# Altium PCB Lock_5chanel.PcbDoc (continued)
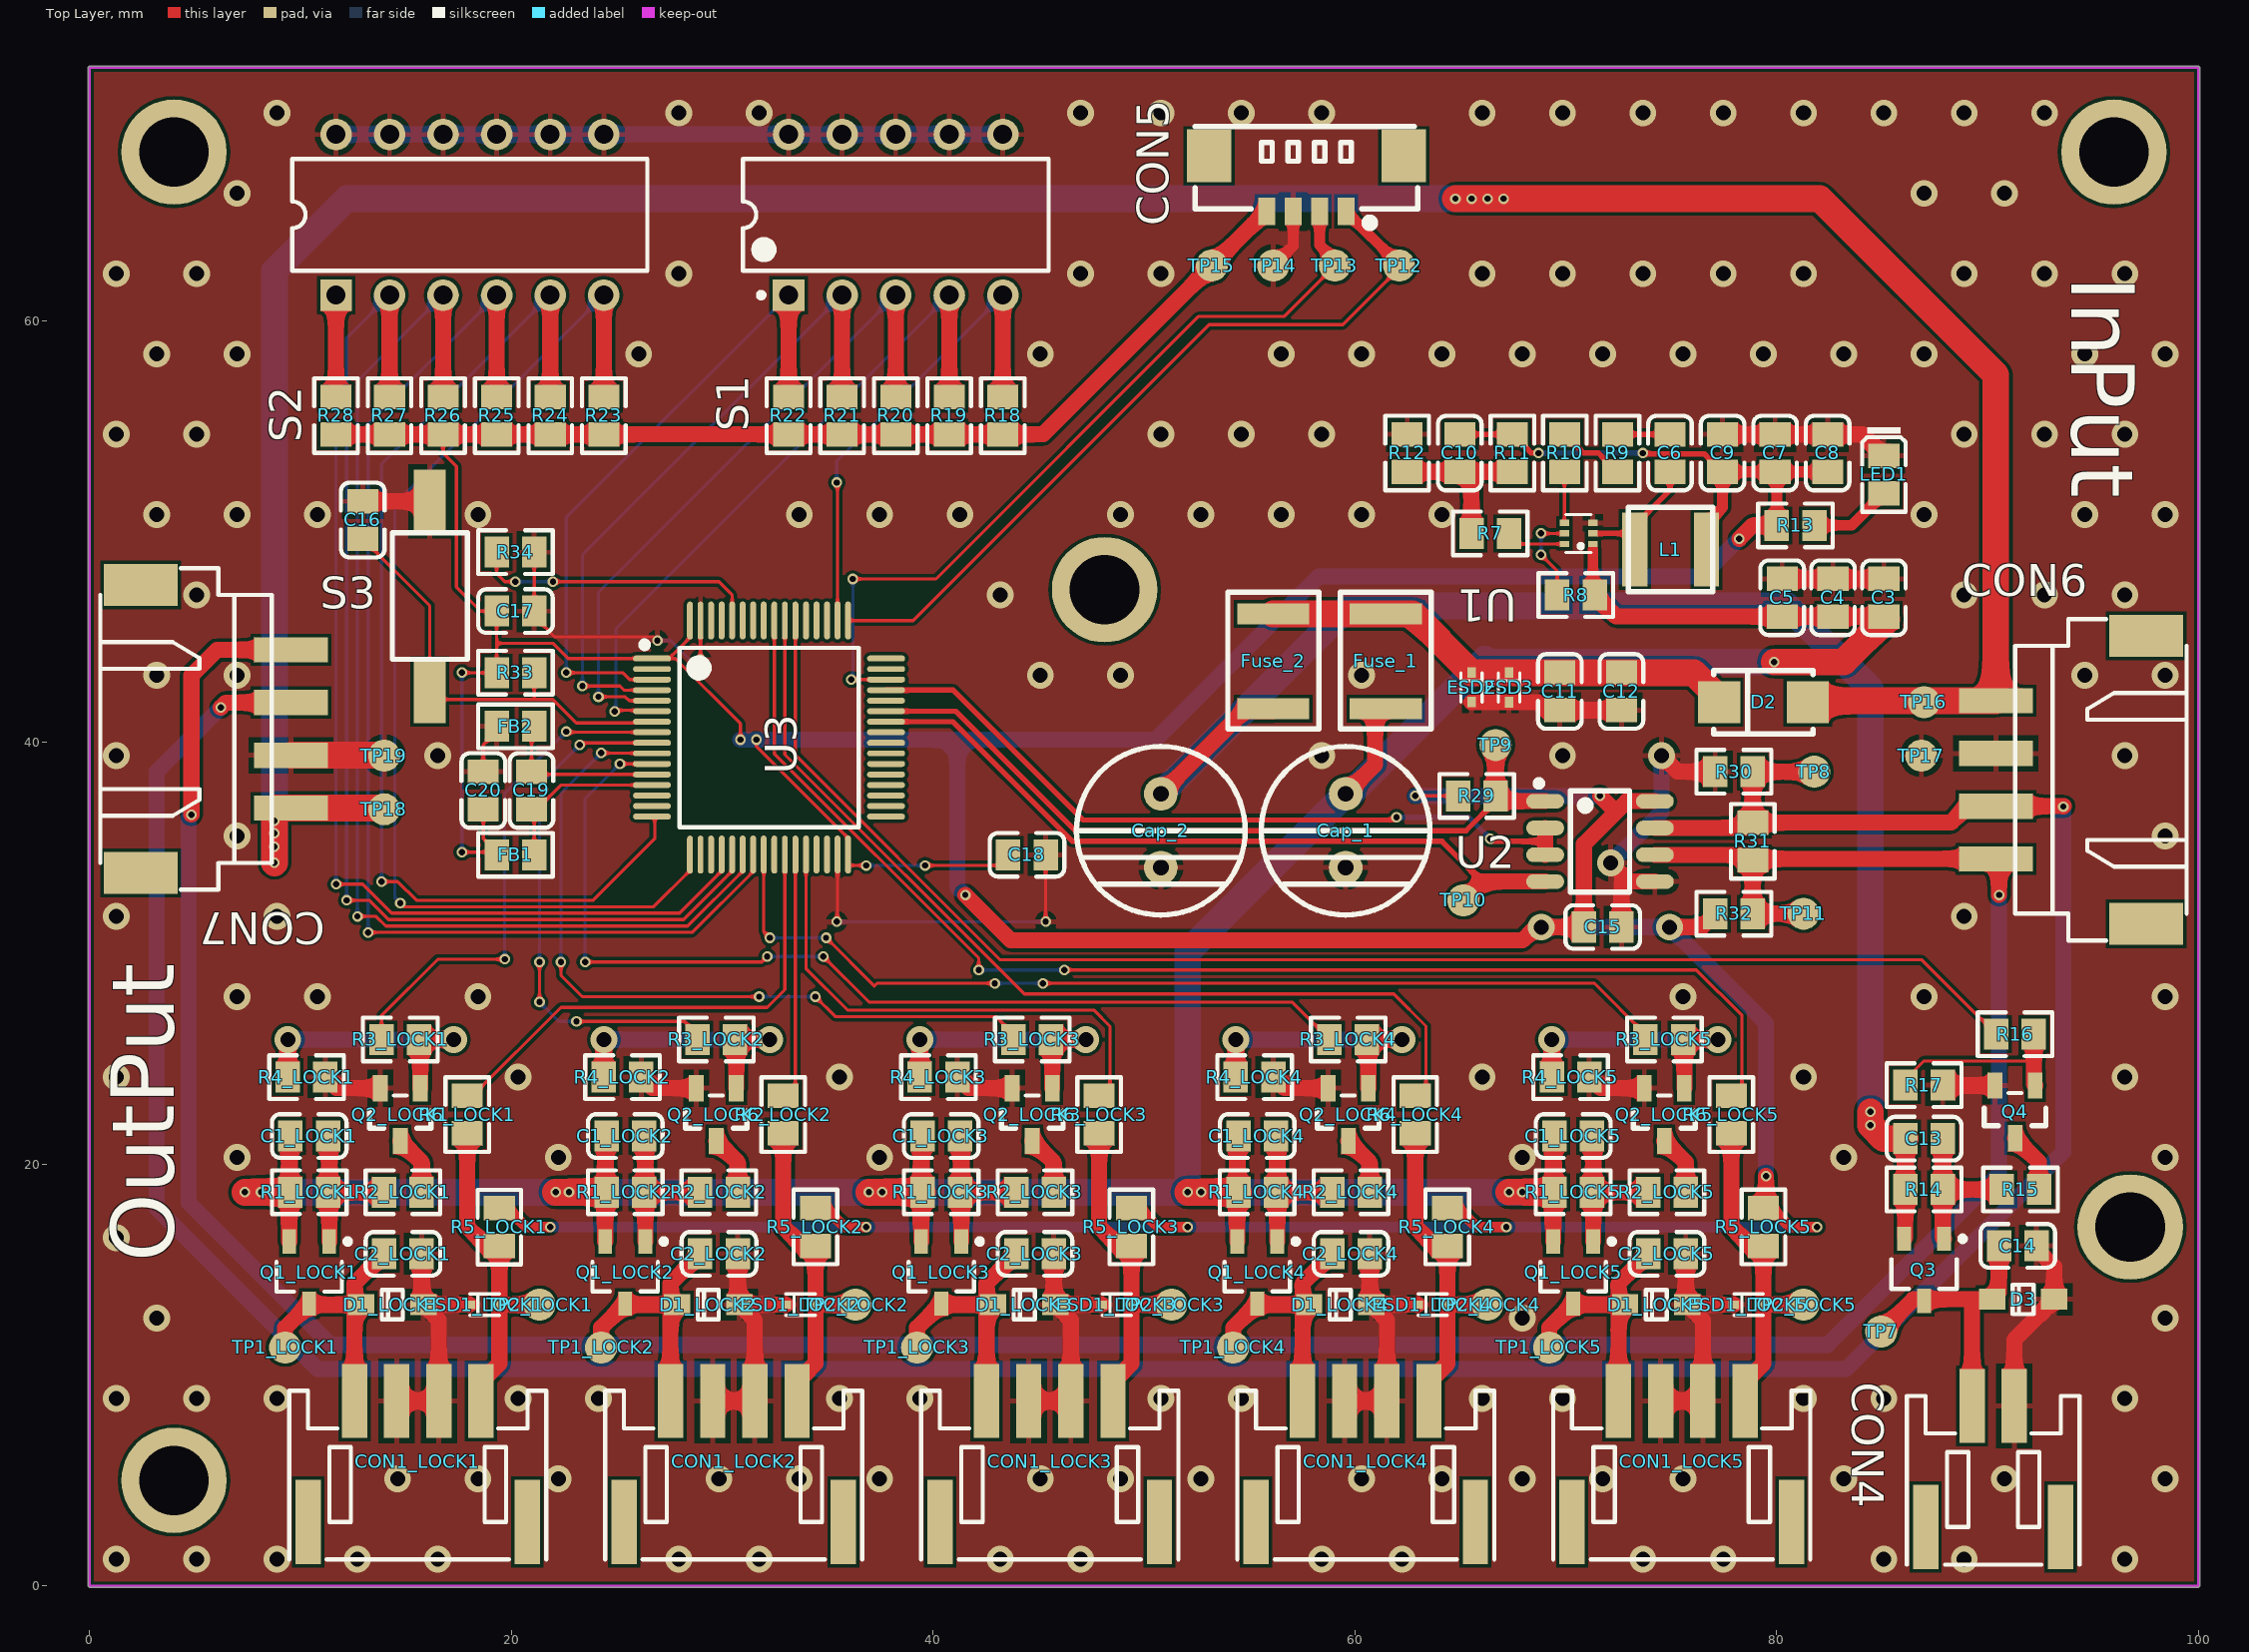
[diagram p0: Top Layer view]
## Footprints (in the part's own frame and the unit in brackets; to place one, negate y for a bottom-side part, rotate by r counter-clockwise, add the part's x,y. Pads: shape width x height; smd on the part's side, far side on the other; paste and mask are expansions set on the pad)
8X12_CAP [mm]
  round 1.6 hole 0.75: 1(-1.75,0) 2(1.75,0)
  silkscreen extent -4,-4 4,4
0805_C [mm]
  rect 1.16x1.47 smd: 1(-0.89,0) 2(0.89,0)
  silkscreen extent -1.77,-1.04 1.77,1.04, body extent -1,-0.62 1,0.63, height 0.77
0805_L [mm]
  rect 1.16x1.47 smd: 1(-0.89,0) 2(0.89,0)
  silkscreen extent -1.77,-1.03 1.77,1.03, body extent -1.02,-0.64 1.03,0.64, height 0.6
0805_LED_S1 [mm]
  rect 1.16x1.47 smd: A(0.89,0) K(-0.89,0)
  silkscreen extent -2.25,-1.03 1.77,1.03, body extent -1.01,-0.62 1.01,0.62, height 1.1
0805_R [mm]
  rect 1.16x1.47 smd: 1(-0.89,0) 2(0.89,0)
  silkscreen extent -1.77,-1.03 1.77,1.03, body extent -1,-0.62 1,0.63, height 0.49
DIP-12/SW [mm] "DIP Switch; 12 Leads"
  rect 1.5x1.5 hole 0.9: 1(-6.35,-3.81)
  round 1.5 hole 0.9: 2(-3.81,-3.81) 3(-1.27,-3.81) 4(1.27,-3.81) 5(3.81,-3.81) 6(6.35,-3.81) 7(6.35,3.81) 8(3.81,3.81) 9(1.27,3.81) 10(-1.27,3.81) 11(-3.81,3.81) 12(-6.35,3.81)
  silkscreen extent -8.43,-2.65 8.41,2.65
key [mil]
  rect 118.11x60 smd: 1(0,0) 2(355,0)
  silkscreen extent 60,-70 296,70
L_4030 [mm]
  rect 1.2x3.5 smd: 1(0.3,2) 2(3.7,2)
  silkscreen extent 0,0 4,4
LQFP-64_10X10X05P [mm]
  oval 0.28x1.8 smd mask+0.051: 1(-3.75,-5.55) 2(-3.25,-5.55) 3(-2.75,-5.55) 4(-2.25,-5.55) 5(-1.75,-5.55) 6(-1.25,-5.55) 7(-0.75,-5.55) 8(-0.25,-5.55) 9(0.25,-5.55) 10(0.75,-5.55) 11(1.25,-5.55) 12(1.75,-5.55) 13(2.25,-5.55) 14(2.75,-5.55) 15(3.25,-5.55) 16(3.75,-5.55) 33(3.75,5.55) 34(3.25,5.55) 35(2.75,5.55) 36(2.25,5.55) 37(1.75,5.55) 38(1.25,5.55) 39(0.75,5.55) 40(0.25,5.55) 41(-0.25,5.55) 42(-0.75,5.55) 43(-1.25,5.55) 44(-1.75,5.55) 45(-2.25,5.55) 46(-2.75,5.55) 47(-3.25,5.55) 48(-3.75,5.55)
  oval 1.8x0.28 smd mask+0.051: 17(5.55,-3.75) 18(5.55,-3.25) 19(5.55,-2.75) 20(5.55,-2.25) 21(5.55,-1.75) 22(5.55,-1.25) 23(5.55,-0.75) 24(5.55,-0.25) 25(5.55,0.25) 26(5.55,0.75) 27(5.55,1.25) 28(5.55,1.75) 29(5.55,2.25) 30(5.55,2.75) 31(5.55,3.25) 32(5.55,3.75) 49(-5.55,3.75) 50(-5.55,3.25) 51(-5.55,2.75) 52(-5.55,2.25) 53(-5.55,1.75) 54(-5.55,1.25) 55(-5.55,0.75) 56(-5.55,0.25) 57(-5.55,-0.25) 58(-5.55,-0.75) 59(-5.55,-1.25) 60(-5.55,-1.75) 61(-5.55,-2.25) 62(-5.55,-2.75) 63(-5.55,-3.25) 64(-5.55,-3.75)
  silkscreen extent -4.55,-6.05 4.25,4.25
"MX 1.25-LS-4P" [mm] "长：9.75m，宽：3.7mm，高：4.7mm"
  rect 2.1x2.5 smd: 0(-4.632,-0.381) 0(4.604,-0.381)
  rect 0.8x1.3 smd: 1(-1.889,2.261) 2(-0.639,2.261) 3(0.611,2.261) 4(1.861,2.261)
  silkscreen extent -5.29,-1.78 5.27,2.99, body extent -5.07,-1.6 5.07,2.5, height 4.7
N10A [mm] "DIP; 10 Leads; Row Spacing 7.62 mm; Pitch 2.54 mm"
  rect 1.5x1.5 hole 0.9: 1(-3.81,5.08)
  round 1.5 hole 0.9: 2(-3.81,2.54) 3(-3.81,0) 4(-3.81,-2.54) 5(-3.81,-5.08) 6(3.81,-5.08) 7(3.81,-2.54) 8(3.81,0) 9(3.81,2.54) 10(3.81,5.08)
  silkscreen extent -3.93,-7.25 2.65,7.25, body extent -3.25,-7.25 3.25,7.25, height 5.08
PH2.0-WS-2P [mm] "长：8mm，宽：7.6mm，高：5.5mm"
  rect 1.2x4 smd: 0(-3.2,-0.006) 0(3.2,-0.006)
  rect 1.2x3.5 smd: 1(-1,5.744) 2(1,5.744)
  silkscreen extent -4.1,-1.78 4.1,6.22, body extent -4,-1.65 4,6.95, height 5.55
PH2.0-WS-4P [mm] "长：12mm，宽：7.6mm，高：5.5mm"
  rect 1.2x4 smd: 0(-5.2,-0.006) 0(5.2,-0.006)
  rect 1.2x3.5 smd: 1(-3,5.744) 2(-1,5.744) 3(1,5.744) 4(3,5.744)
  silkscreen extent -6.1,-1.78 6.1,6.22, body extent -6,-1.65 6,6.95, height 5.55
SMA(DO-214AC)_S1 [mm]
  rect 2x2 smd: 1(2.1,0) 2(-2.1,0)
  silkscreen extent -2.35,-1.5 2.35,1.5
SMD1812P260 [mm]
  rect 1x3.41 smd: 1(0,0) 2(4.5,0)
  silkscreen extent -1.02,-2.16 5.46,2.16
SOD-123 [mm]
  rect 1.25x1 smd: 1(1.475,0) 2(-1.475,0)
  silkscreen extent -0.5,-0.7 0.5,0.7, body extent -1.85,-0.77 1.85,0.78, height 1.35
SOD-523 [mm]
  rect 0.5x0.4 smd: 1(0,0) 2(1.4,0)
  silkscreen extent 0,-0.51 1.4,0.51
SOIC-8_150mil [mm]
  oval 0.7x1.8 smd: 1(-1.905,-2.6) 2(-0.635,-2.6) 3(0.635,-2.6) 4(1.905,-2.6) 5(1.905,2.6) 6(0.635,2.6) 7(-0.635,2.6) 8(-1.905,2.6)
  silkscreen extent -2.9,-3.05 2.4,1.4
SOT563-6 [mm]
  rect 0.3x0.45 smd: 1(-0.5,-0.675) 2(0,-0.675) 3(0.5,-0.675) 4(0.5,0.675) 5(0,0.675) 6(-0.5,0.675)
  silkscreen extent -0.9,-0.6 0.9,0.6, body extent -0.8,-0.8 0.8,0.83, height 0.58
SOT-23(SOT-23-3) [mm]
  rect 1.25x0.7 smd: 1(1.25,-0.95) 2(1.25,0.95) 3(-1.25,0)
  silkscreen extent -0.65,-1.46 0.9,1.46, body extent -1.5,-1.5 1.5,1.5, height 1.3
SOT-23-3L [mm] "http://www.aosmd.com/res/packaging_information/SOT-23-3L.pdf"
  rect 1.15x0.65 smd: 1(1.475,-0.95) 2(1.475,0.95) 3(-1.475,0)
  silkscreen extent -0.9,-1.95 1.6,1.55, body extent -0.9,-1.55 0.9,1.55, height 1.25
TP [mil]
  round 60 smd mask+11.81: 1(0,0)
XH2.54-WS-4P [mm] "长：15mm，宽：8mm，高：6.1mm"
  rect 2x3.5 smd: 0(-6.827,-2.15) 0(6.827,-2.15)
  rect 1.2x3.5 smd: 1(-3.75,4.981) 2(-1.25,4.981) 3(1.25,4.981) 4(3.75,4.981)
  silkscreen extent -7.62,-4.06 7.62,4.06, body extent -7.5,-4 7.5,6.42, height 6.05

## Part data
C1_LOCK1 C1_LOCK2 C1_LOCK3 C1_LOCK4 C1_LOCK5 C8 C9 C13: library part "0805 22uF (226) 20% 25V", "贴片电容"
C2_LOCK1 C2_LOCK2 C2_LOCK3 C2_LOCK4 C2_LOCK5 C3 C4 C11 C14: library part "0805 10uF (106) 10% 25V", "贴片电容"
C5 C7 C12 C15 C16 C17 C18 C19 C20: library part "0805 100nF(104) 10% 50V", "贴片电容"
C6: library part "0805 1uF (105) 10% 50V", "贴片电容"
C10: library part "0805 33pF (330) 5% 50V", "贴片电容"
CON1_LOCK1 CON1_LOCK2 CON1_LOCK3 CON1_LOCK4 CON1_LOCK5 CON5: library part 4P_XH2.54_W
CON4: "Header, 2-Pin"
D1_LOCK1 D1_LOCK2 D1_LOCK3 D1_LOCK4 D1_LOCK5 D3: library part "SOD-123 B5819W  SL", "肖特基二极管"
D2: library part "SMA(DO-214AC) SS54", "二极管"
FB1 FB2: library part "0805 100Ω 25% 100MHz", "贴片磁珠"
L1: library part 33uH
LED1: library part "0805 红灯", "发光二极管"
Q1_LOCK1 Q1_LOCK2 Q1_LOCK3 Q1_LOCK4 Q1_LOCK5 Q3: "MOS(场效应管)"
Q2_LOCK1 Q2_LOCK2 Q2_LOCK3 Q2_LOCK4 Q2_LOCK5 Q4: library part "SOT-23 SS8050 Y1", "三极管"
R1_LOCK1 R1_LOCK2 R1_LOCK3 R1_LOCK4 R1_LOCK5 R7 R8 R14: library part "0805 100KΩ (1003) 1%", "贴片电阻"
R2_LOCK1 R2_LOCK2 R2_LOCK3 R2_LOCK4 R2_LOCK5 R3_LOCK1 R3_LOCK2 R3_LOCK3 R3_LOCK4 R3_LOCK5 R5_LOCK1 R5_LOCK2 R5_LOCK3 R5_LOCK4 R5_LOCK5 R6_LOCK1 R6_LOCK2 R6_LOCK3 R6_LOCK4 R6_LOCK5 R15 R16: library part "0805 1KΩ (1001) 1%", "贴片电阻"
R4_LOCK1 R4_LOCK2 R4_LOCK3 R4_LOCK4 R4_LOCK5 R17 R18 R19 R20 R21 R22 R23 R24 R25 R26 R27 R28 R29 R30 R32 R33 R34: library part "0805 10KΩ (1002) 1%", "贴片电阻"
R9: library part "0805 10Ω (10R0) 1%", "贴片电阻"
R10: library part "0805 20Ω (20R0) 1%", "贴片电阻"
R11: library part "0805 40.2KΩ (4022) 1%", "贴片电阻"
R12: library part "0805 13KΩ (1302) 1%", "贴片电阻"
R13: library part "0805 180Ω (1800) 1%", "贴片电阻"
R31: library part "0805 120Ω (1200) 1%", "贴片电阻"
S1: "DIP Switch, 5 Position, SPST"
S2: "DIP Switch, 6 Position, SPST"
S3: "Single-Pole, Single-Throw Switch"
U2: library part SP3485EN-L/TR_[C8963], "RS-485/RS-422"

## Free pads (board coordinates)
  round 5 hole 3.3: 0(4,5) 0(4,68) 0(48.133,47.244) 0(96,68) 0(96.774,17.018)

## Via types
v1: diameter 1.27, hole 0.711, Top Layer to Bottom Layer, tented both sides, 160 vias
v2: diameter 0.5, hole 0.3, Top Layer to Bottom Layer, 86 vias
v3: diameter 1.27, hole 0.711, Top Layer to Bottom Layer, 14 vias

## Nets (pads, with @x,y where several pads share a name; then routed paths per layer and width w, separated by ;. In a path a pad name is that pad's centre, name@x,y a point inside that pad or via, vN(x,y) a via of type N, cw(c..) or ccw(c..) an arc to the next point about the centre after c; other vN are vias at no path point)
ADDR0: R28.1 S2.1 U3.20 | length 53.2
  Top Layer w0.152: v2(11.684,33.274) 12.954,33.274 14.326,31.902 27.973,31.902 29.97,33.9 U3.20
  Top Layer w0.762: R28.1 S2.1
  Bottom Layer w0.152: v2(11.684,33.274) S2.1
ADDR1: R27.1 S2.2 U3.21 | length 54.8
  Top Layer w0.152: v2(12.192,32.512) 13.258,32.512 14.172,31.598 28.168,31.598 30.47,33.9 U3.21
  Top Layer w0.762: R27.1 S2.2
  Bottom Layer w0.152: v2(12.192,32.512) 12.192,59.182 S2.2
ADDR2: R26.1 S2.3 U3.22 | length 56.3
  Top Layer w0.152: v2(12.7,31.75) 13.589,31.75 14.046,31.293 28.363,31.293 30.97,33.9 U3.22
  Top Layer w0.762: R26.1 S2.3
  Bottom Layer w0.152: v2(12.7,31.75) 12.7,57.15 S2.3
ADDR3: R25.1 S2.4 U3.23 | length 57.8
  Top Layer w0.152: v2(13.208,30.988) 28.575,30.988 31.47,33.883 U3.23
  Top Layer w0.762: R25.1 S2.4
  Bottom Layer w0.152: v2(13.208,30.988) 13.208,55.118 S2.4
ADDR4: R24.1 S2.5 U3.16 | length 51.5
  Top Layer w0.152: v2(13.843,33.401) 14.605,33.401 15.494,32.512 23.876,32.512 26.797,35.433 U3.16@26.797,36.449
  Top Layer w0.762: R24.1 S2.5
  Bottom Layer w0.152: v2(13.843,33.401) 13.843,53.213 S2.5
ADDR5: R23.1 S2.6 U3.17 | length 53.1
  Top Layer w0.152: v2(14.732,32.385) 14.91,32.207 26.746,32.207 28.47,33.931 U3.17
  Top Layer w0.762: R23.1 S2.6
  Bottom Layer w0.152: v2(14.732,32.385) 14.478,32.639 14.478,51.308 S2.6
COL_0: R22.1 S1.1 U3.3 | length 31.3
  Top Layer w0.152: v2(22.606,43.307) 25.273,43.307 25.599,42.981 U3.3
  Top Layer w0.762: R22.1 S1.1
  Bottom Layer w0.152: v2(22.606,43.307) 22.606,50.673 S1.1
COL_1: R21.1 S1.2 U3.4 | length 31.9
  Top Layer w0.152: v2(23.368,42.672) 25.146,42.672 25.337,42.481 U3.4
  Top Layer w0.762: R21.1 S1.2
  Bottom Layer w0.152: v2(23.368,42.672) 23.368,48.895 S1.2
COL_2: R20.1 S1.3 U3.5 | length 32.3
  Top Layer w0.152: v2(24.13,42.164) 25.4,42.164 25.583,41.981 U3.5
  Top Layer w0.762: R20.1 S1.3
  Bottom Layer w0.152: v2(24.13,42.164) 24.13,47.117 S1.3
COL_3: R19.1 S1.4 U3.6 | length 33.1
  Top Layer w0.152: v2@24.892,41.529 v2(24.892,41.465) 24.956,41.529 26.622,41.529 U3.6
  Top Layer w0.762: R19.1 S1.4
  Bottom Layer w0.152: v2(24.892,41.465) 24.956,41.465 24.956,45.402 S1.4
COL_4: R18.1 S1.5 U3.50 | length 23.5
  Top Layer w0.152: v2(35.433,52.324) 35.47,52.287 U3.50
  Top Layer w0.762: R18.1 S1.5
  Bottom Layer w0.152: v2(35.433,52.324) 35.433,53.34 S1.5
DE: U2.2 U2.3 U3.45 | length 35.6
  Top Layer w0.254: U3.45 40.958,42.481 47.117,36.322 61.849,36.322 v2(61.976,36.449) ; v2(66.421,35.433) 66.548,35.306 69.028,35.306
  Top Layer w0.762: U2.3 69.028,35.306 U2.2
  Bottom Layer w0.254: v2(61.976,36.449) 65.405,36.449 v2(66.421,35.433)
EN: R16.1 U3.54 | length 68.8
  Top Layer w0.152: U3.54 33.47,39.401 43.183,29.689 86.896,29.689 R16.1
GNDA: C19.1 FB2.2 U3.12 | length 8.1
  Top Layer w0.152: FB2.2@21.083,40.894 20.955,40.766 C19.1 21.083,38.481 U3.12
NET_GND: C2_LOCK1.1 C2_LOCK2.1 C2_LOCK3.1 C2_LOCK4.1 C2_LOCK5.1 C3.1 C4.1 C5.1 C7.1 C8.1 C9.1 C11.1 C12.1 C14.1 C15.2 C16.1 C17.1 C18.1 C20.1 Cap_1.2 Cap_2.2 CON1_LOCK1.2 CON1_LOCK1.3 CON1_LOCK2.2 CON1_LOCK2.3 CON1_LOCK3.2 CON1_LOCK3.3 CON1_LOCK4.2 CON1_LOCK4.3 CON1_LOCK5.2 CON1_LOCK5.3 CON4.2 CON5.3 CON6.3 CON7.3 D1_LOCK1.1 D1_LOCK2.1 D1_LOCK3.1 D1_LOCK4.1 D1_LOCK5.1 D3.1 ESD1_LOCK1.2 ESD1_LOCK2.2 ESD1_LOCK3.2 ESD1_LOCK4.2 ESD1_LOCK5.2 ESD2.1 ESD3.1 FB2.1 LED1.K Q2_LOCK1.2 Q2_LOCK2.2 Q2_LOCK3.2 Q2_LOCK4.2 Q2_LOCK5.2 Q4.2 R4_LOCK1.1 R4_LOCK2.1 R4_LOCK3.1 R4_LOCK4.1 R4_LOCK5.1 R12.1 R17.1 R30.2 R34.2 S1.6 S1.7 S1.8 S1.9 S1.10 S2.7 S2.8 S2.9 S2.10 S2.11 S2.12 S3.2 TP14.1 TP17.1 TP19.1 U1.3 U2.5 U3.31 U3.63 | length 191.4
  Top Layer w0.152: C20.1 18.669,39.878 19.303,40.512 FB2.1 ; R34.2 C17.1 21.083,45.973 22.047,45.009 26.746,45.009 v2(26.924,44.831) ; v2(28.97,43.928) U3.63 ; v2(35.433,31.496) 35.47,31.533 U3.31 ; v2(45.339,31.496) v2(45.339,31.496) C18.1
  Top Layer w0.508: TP14.1 57.079,63.556 CON5.3
  Top Layer w0.762: R4_LOCK1.1 11.705,23.601 Q2_LOCK1.2 ; C16.1 S3.2 S3.2 ; CON1_LOCK1.2 CON1_LOCK1.3 16.56,12.6 D1_LOCK1.1 ; C2_LOCK1.1 15.749,13.411 D1_LOCK1.1 ; ESD1_LOCK1.2 D1_LOCK1.1 ; R4_LOCK2.1 26.691,23.602 Q2_LOCK2.2 ; CON1_LOCK2.2 CON1_LOCK2.3 31.546,12.601 D1_LOCK2.1 ; C2_LOCK2.1 30.735,13.412 D1_LOCK2.1 ; ESD1_LOCK2.2 D1_LOCK2.1 ; R4_LOCK3.1 41.677,23.602 Q2_LOCK3.2 ; CON1_LOCK3.2 CON1_LOCK3.3 46.532,12.601 D1_LOCK3.1 ; C2_LOCK3.1 45.721,13.412 D1_LOCK3.1 ; ESD1_LOCK3.2 D1_LOCK3.1 ; R4_LOCK4.1 56.663,23.602 Q2_LOCK4.2 ; CON1_LOCK4.2 CON1_LOCK4.3 61.518,12.601 D1_LOCK4.1 ; C2_LOCK4.1 60.707,13.412 D1_LOCK4.1 ; ESD1_LOCK4.2 D1_LOCK4.1 ; ESD2.1 67.307,41.91 ESD3.1 68.71,41.907 69.089,41.528 C11.1 C12.1 ; R4_LOCK5.1 71.649,23.602 Q2_LOCK5.2 ; v3(72.136,34.29) 72.645,33.781 72.645,33.274 ; C15.2 72.645,33.274 ; U2.5 72.772,33.401 72.645,33.274 ; CON1_LOCK5.2 CON1_LOCK5.3 76.504,12.601 D1_LOCK5.1 ; v3(74.549,39.37) 75.311,38.608 R30.2 ; C2_LOCK5.1 75.693,13.412 D1_LOCK5.1 ; C9.1 C7.1 C8.1 84.074,54.611 LED1.K ; ESD1_LOCK5.2 D1_LOCK5.1 ; C5.1 C4.1 C3.1 ; R17.1 87.905,23.729 Q4.2 ; CON4.2 91.272,11.662 93.169,13.559 D3.1 93.169,15.131 92.33,15.97 C14.1
  Top Layer w1.27: CON7.3 13.95,39.39 TP19.1
  Bottom Layer w0.152: v2(26.924,44.831) 27.559,44.831 28.462,43.928 v2(28.97,43.928) ; v2(35.433,31.496) v2(45.339,31.496)
  Bottom Layer w0.762: S2.12 S2.11 S2.10 S2.9 S2.8 S2.7 S1.10 S1.9 S1.8 S1.7 S1.6 ; v3(72.136,34.29) 74.549,36.703 v3(74.549,39.37)
  other v1: 1.27,1.27 5.08,1.27 8.89,1.27 12.7,1.27 16.51,1.27 27.94,1.27 31.75,1.27 43.18,1.27 46.99,1.27 58.42,1.27 62.23,1.27 73.66,1.27 77.47,1.27 85.09,1.27 88.9,1.27 96.52,1.27 14.605,5.08 18.415,5.08 22.225,5.08 29.845,5.08 33.655,5.08 37.465,5.08 45.085,5.08 48.895,5.08 52.705,5.08 60.325,5.08 64.135,5.08 67.945,5.08 71.755,5.08 75.565,5.08 83.185,5.08 90.805,5.08 98.425,5.08 1.27,8.89 5.08,8.89 8.89,8.89 20.32,8.89 24.13,8.89 35.56,8.89 39.37,8.89 50.8,8.89 54.61,8.89 66.04,8.89 69.85,8.89 81.28,8.89 85.09,8.89 96.52,8.89 3.175,12.7 67.945,12.7 98.425,12.7 1.27,16.51 6.985,20.32 22.225,20.32 37.465,20.32 67.945,20.32 83.185,20.32 98.425,20.32 1.27,24.13 20.32,24.13 35.56,24.13 66.04,24.13 81.28,24.13 96.52,24.13 6.985,27.94 10.795,27.94 18.415,27.94 75.565,27.94 86.995,27.94 98.425,27.94 1.27,31.75 8.89,31.75 88.9,31.75 6.985,35.56 98.425,35.56 1.27,39.37 16.51,39.37 58.42,39.37 69.85,39.37 96.52,39.37 3.175,43.18 6.985,43.18 45.085,43.18 48.895,43.18 60.325,43.18 94.615,43.18 98.425,43.18 5.08,46.99 43.18,46.99 88.9,46.99 92.71,46.99 96.52,46.99 3.175,50.8 6.985,50.8 10.795,50.8 18.415,50.8 33.655,50.8 37.465,50.8 41.275,50.8 48.895,50.8 52.705,50.8 56.515,50.8 60.325,50.8 64.135,50.8 86.995,50.8 94.615,50.8 98.425,50.8 1.27,54.61 5.08,54.61 50.8,54.61 54.61,54.61 58.42,54.61 88.9,54.61 92.71,54.61 96.52,54.61 3.175,58.42 6.985,58.42 26.035,58.42 45.085,58.42 56.515,58.42 60.325,58.42 64.135,58.42 67.945,58.42 71.755,58.42 75.565,58.42 79.375,58.42 83.185,58.42 86.995,58.42 94.615,58.42 98.425,58.42 1.27,62.23 5.08,62.23 27.94,62.23 46.99,62.23 50.8,62.23 66.04,62.23 69.85,62.23 73.66,62.23 77.47,62.23 81.28,62.23 88.9,62.23 92.71,62.23 96.52,62.23 6.985,66.04 86.995,66.04 90.805,66.04 8.89,69.85 27.94,69.85 31.75,69.85 46.99,69.85 50.8,69.85 54.61,69.85 58.42,69.85 66.04,69.85 69.85,69.85 73.66,69.85 77.47,69.85 81.28,69.85 85.09,69.85 88.9,69.85 92.71,69.85
NET_LOCK_EN1: R3_LOCK1.1 U3.8 | length 24.2
  Top Layer w0.152: R3_LOCK1.1 13.842,27.05 16.51,29.718 v2(19.685,29.718) ; v2(22.606,40.513) 22.638,40.481 U3.8
  Bottom Layer w0.152: v2(19.685,29.718) 19.685,37.592 v2(22.606,40.513)
NET_LOCK_EN2: R3_LOCK2.1 U3.9 | length 24.8
  Top Layer w0.152: v2(21.336,27.686) v2(21.336,29.591) ; v2(23.089,26.772) 28.219,26.772 28.828,26.163 R3_LOCK2.1 ; v2(23.241,39.878) 23.344,39.981 U3.9
  Bottom Layer w0.152: v2(21.336,27.686) 22.25,26.772 v2(23.089,26.772) ; v2(21.336,29.591) 21.336,37.973 v2(23.241,39.878)
NET_LOCK_EN3: R3_LOCK3.1 U3.10 | length 36.7
  Top Layer w0.152: v2(22.352,29.591) 22.352,28.956 23.368,27.94 v2(31.75,27.94) ; v2(24.257,39.497) U3.10@26.797,39.497 ; v2(34.417,27.94) 35.357,27 42.977,27 43.814,26.163 R3_LOCK3.1
  Bottom Layer w0.152: v2(22.352,29.591) 22.352,37.592 v2(24.257,39.497) ; v2(31.75,27.94) v2(34.417,27.94)
NET_LOCK_EN4: R3_LOCK4.1 U3.11 | length 48.7
  Top Layer w0.152: v2(23.495,29.591) 31.877,29.591 v2(32.131,29.845) ; v2(25.146,38.989) 25.154,38.981 U3.11 ; v2(34.798,29.845) 36.957,27.686 57.022,27.686 R3_LOCK4.1
  Bottom Layer w0.152: v2(23.495,29.591) 23.495,37.338 v2(25.146,38.989) ; v2(32.131,29.845) v2(34.798,29.845)
NET_LOCK_EN5: R3_LOCK5.1 U3.24 | length 47.8
  Top Layer w0.152: U3.24 31.97,31.022 v2(32.258,30.734) ; v2(34.925,30.734) 37.211,28.448 37.338,28.575 v2(42.926,28.575) ; v2(45.212,28.575) 71.374,28.575 73.786,26.163 R3_LOCK5.1
  Bottom Layer w0.152: v2(32.258,30.734) v2(34.925,30.734) ; v2(42.926,28.575) v2(45.212,28.575)
NET_LOCK_IN1: R6_LOCK1.2 U3.26 | length 23.6
  Top Layer w0.152: R6_LOCK1.2 18.161,23.241 22.352,27.432 32.131,27.432 32.97,28.271 U3.26
NET_LOCK_IN2: R6_LOCK2.2 U3.27 | length 11.7
  Top Layer w0.152: R6_LOCK2.2 33.47,23.819 U3.27
NET_LOCK_IN3: R6_LOCK3.2 U3.28 | length 24.5
  Top Layer w0.152: U3.28 33.97,29.276 35.941,27.305 47.625,27.305 48.387,26.543 48.387,23.75 R6_LOCK3.2
NET_LOCK_IN4: R6_LOCK4.2 U3.55 | length 45.6
  Top Layer w0.152: U3.55 32.97,39.42 44.323,28.067 61.849,28.067 63.373,26.543 63.373,23.75 R6_LOCK4.2
NET_LOCK_IN5: R6_LOCK5.2 U3.56 | length 61.7
  Top Layer w0.152: U3.56 32.47,39.462 42.164,29.768 v2(42.164,29.21) ; v2(46.228,29.21) 76.2,29.21 78.359,27.051 78.359,23.75 R6_LOCK5.2
  Bottom Layer w0.152: v2(42.164,29.21) v2(46.228,29.21)
NET_VDD_3.3: C7.2 C8.2 C9.2 C10.2 C15.1 C17.2 C18.2 C20.2 CON5.4 FB1.1 L1.2 R5_LOCK1.2 R5_LOCK2.2 R5_LOCK3.2 R5_LOCK4.2 R5_LOCK5.2 R11.1 R13.1 R18.2 R19.2 R20.2 R21.2 R22.2 R23.2 R24.2 R25.2 R26.2 R27.2 R28.2 R29.2 R32.1 R33.2 TP15.1 U2.8 U3.1 U3.32 U3.64 | length 341.9
  Top Layer w0.152: R26.2 16.764,53.721 17.399,53.086 17.399,47.371 18.542,46.228 C17.2 19.303,44.704 ; v2(17.653,34.798) 19.176,34.798 FB1.1 19.303,34.799 18.669,35.433 C20.2 ; v2(17.653,43.307) R33.2 19.303,44.704 ; U3.64 28.47,44.98 U3.1@27.471,43.981 ; v2(30.861,40.132) 30.861,40.894 27.774,43.981 U3.1@27.471,43.981 ; v2(31.623,40.132) 31.623,39.809 35.97,35.462 U3.32 35.97,34.163 v2(36.83,34.163) ; v2(39.624,34.163) 43.052,34.163 C18.2 C18.2@43.55,34.681 ; v2(62.865,37.465) R29.2 ; 72.327,36.766 72.453,36.766 ; 19.303,44.704 21.971,44.704 22.694,43.981 U3.1 U3.1@27.471,43.981
  Top Layer w0.254: C10.2 R11.1 68.359,53.721 v2(68.707,53.721) ; v2(73.66,53.721) 73.691,53.69 76.579,53.69 C9.2 ; L1.2 76.679,50.39 L1.2@76.835,50.546
  Top Layer w0.508: R5_LOCK1.2 19.812,17.907 20.701,17.018 v2(21.844,17.018) ; R5_LOCK2.2 34.924,17.908 35.814,17.018 v2(36.83,17.018) ; R5_LOCK3.2 49.783,17.908 50.673,17.018 v2(52.07,17.018) ; CON5.4@55.778,65.176 CON5.4 ; R5_LOCK4.2 64.896,17.908 65.786,17.018 v2(67.183,17.018) ; L1.2@76.835,50.546 77.438,51.149 C9.2 C7.2 ; R5_LOCK5.2@79.755,17.908 80.645,17.018 v2(81.915,17.018) ; R13.1 80.009,52.753 C7.2 ; C8.2 C7.2
  Top Layer w0.762: R28.2 R27.2 R26.2 R25.2 R24.2 R23.2 R22.2 R21.2 R20.2 R19.2 R18.2 45.211,54.609 TP15.1 CON5.4@55.778,65.176 ; v2(41.529,32.766) 43.688,30.607 67.945,30.607 68.58,31.242 v3(68.834,31.242) C15.1 70.865,35.178 72.453,36.766 72.898,37.211 U2.8 ; v2(71.628,37.465) 72.327,36.766 ; v3(74.93,31.242) 76.199,31.242 76.326,31.369 76.453,31.242 R32.1 ; v2(78.232,49.657) 78.867,50.292 R13.1 ; v2(79.502,19.431) 79.502,18.161 R5_LOCK5.2@79.755,17.908
  Bottom Layer w0.152: v2(17.653,34.798) v2(17.653,43.307) ; v2(36.83,34.163) v2(39.624,34.163)
  Bottom Layer w0.254: v2(68.707,53.721) v2(73.66,53.721)
  Bottom Layer w0.508: v2(21.844,17.018) v2(36.83,17.018) v2(52.07,17.018) v2(67.183,17.018) v2(81.915,17.018)
  Bottom Layer w0.762: v2(30.861,40.132) v2(31.623,40.132) 41.148,40.132 ; v2(41.529,32.766) 41.148,33.147 41.148,40.132 ; v2(62.865,37.465) v2(71.628,37.465) ; v3(68.834,31.242) 68.961,31.369 69.088,31.242 v3(74.93,31.242) 79.502,26.67 v2(79.502,19.431) ; v2(78.232,49.657) 76.454,47.879 58.293,47.879 50.546,40.132 41.148,40.132
NET_VDD_12: C1_LOCK1.2 C1_LOCK2.2 C1_LOCK3.2 C1_LOCK4.2 C1_LOCK5.2 C3.2 C4.2 C5.2 Cap_1.1 Fuse_1.2 Q1_LOCK1.2 Q1_LOCK2.2 Q1_LOCK3.2 Q1_LOCK4.2 Q1_LOCK5.2 R1_LOCK1.2 R1_LOCK2.2 R1_LOCK3.2 R1_LOCK4.2 R1_LOCK5.2 R8.2 U1.1 | length 170.4
  Top Layer w0.508: R8.2@71.287,47.078 71.287,49.149
  Top Layer w0.762: Q1_LOCK1.2 R1_LOCK1.2@9.464,18.667 ; R1_LOCK1.2 R1_LOCK1.2@9.464,18.667 ; C1_LOCK1.2 9.464,21.275 R1_LOCK1.2@9.464,18.667 ; v2(22.098,18.669) v2(22.098,18.669) ; Q1_LOCK2.2 R1_LOCK2.2@24.45,18.668 ; R1_LOCK2.2 R1_LOCK2.2@24.45,18.668 ; C1_LOCK2.2 24.45,21.276 R1_LOCK2.2@24.45,18.668 ; Q1_LOCK3.2 39.436,18.668 39.436,21.276 C1_LOCK3.2 ; Q1_LOCK4.2 54.422,18.668 54.422,21.276 C1_LOCK4.2 ; Cap_1.1 60.96,38.961 60.96,41.292 60.651,41.601 Fuse_1.2 ; Q1_LOCK5.2 69.408,18.668 69.408,21.276 C1_LOCK5.2 ; R8.2@71.287,47.078 R8.2 72.392,45.973 C5.2 C4.2 C3.2
  Top Layer w1.27: v2@7.368,18.667 R1_LOCK1.2@9.464,18.667 ; v2(22.098,18.669) R1_LOCK2.2@24.45,18.668 ; v2(36.956,18.67) 39.436,18.668 R1_LOCK3.2 ; v2(52.069,18.67) 54.422,18.668 R1_LOCK4.2 ; v2(67.308,18.671) v2(67.943,18.671) 69.405,18.671 R1_LOCK5.2@69.408,18.668 ; v2(79.883,43.815) 83.187,43.815 C3.2@85.217,45.845
  Bottom Layer w1.27: v2(7.366,18.669) v2(8.126,18.669) v2(22.098,18.669) v2@67.943,18.669 ; v2(52.069,18.67) 52.069,30.07 Cap_1.1 59.789,37.564 66.167,43.942 66.294,43.815 v2(79.883,43.815)
  other v2: 22.731,18.671 37.59,18.671 52.703,18.67
NET_VDD_LED_12: C13.2 Cap_2.1 Fuse_2.2 Q3.2 R14.2 | length 73.9
  Top Layer w0.762: Cap_2.1 54.71,41.474 Fuse_2.2@56.134,41.474 ; Q3.2@86.105,16.521 R14.2 C13.2
  Top Layer w1.27: v2(84.455,22.479) v2(84.455,21.844) 85.09,21.209 C13.2
  Bottom Layer w1.27: Cap_2.1 59.718,46.482 80.518,46.482 84.455,42.545 v2(84.455,22.479) v2(84.455,21.844)
NET_VIN: CON6.4 CON7.4 D2.1 TP16.1 TP18.1 | length 149.1
  Top Layer w1.27: v2(8.763,34.29) v2(8.763,35.052) v2(8.763,35.687) v2(8.763,36.288) 8.763,36.89 CON7.4 13.91,36.89 TP18.1 ; v2(64.77,65.786) v2(65.532,65.786) v2(66.294,65.786) v2(67.056,65.786) 82.042,65.786 90.396,57.432 CON6.4 81.542,41.977 D2.1
  Bottom Layer w1.27: v2(8.763,34.29) v2(8.763,35.052) v2(8.763,35.687) v2(8.763,36.288) 8.763,62.357 12.192,65.786 v2(64.77,65.786) v2(65.532,65.786) v2(66.294,65.786) v2(67.056,65.786)
NetC1_LOCK1_1: C1_LOCK1.1 Q1_LOCK1.1 R1_LOCK1.1 R2_LOCK1.1 | length 7.7
  Top Layer w0.762: R1_LOCK1.1 11.304,18.668 R1_LOCK1.1@11.364,18.668 ; C1_LOCK1.1 11.364,21.273 R1_LOCK1.1@11.364,18.668 ; Q1_LOCK1.1 R1_LOCK1.1@11.364,18.668 ; R2_LOCK1.1 R1_LOCK1.1@11.364,18.668
NetC1_LOCK2_1: C1_LOCK2.1 Q1_LOCK2.1 R1_LOCK2.1 R2_LOCK2.1 | length 7.7
  Top Layer w0.762: R1_LOCK2.1 R1_LOCK2.1 R1_LOCK2.1@26.35,18.669 ; C1_LOCK2.1 26.35,21.274 R1_LOCK2.1@26.35,18.669 ; Q1_LOCK2.1 R1_LOCK2.1@26.35,18.669 ; R2_LOCK2.1 R1_LOCK2.1@26.35,18.669
NetC1_LOCK3_1: C1_LOCK3.1 Q1_LOCK3.1 R1_LOCK3.1 R2_LOCK3.1 | length 7.7
  Top Layer w0.762: R1_LOCK3.1 R1_LOCK3.1 R1_LOCK3.1@41.336,18.669 ; C1_LOCK3.1 41.336,21.274 R1_LOCK3.1@41.336,18.669 ; Q1_LOCK3.1 R1_LOCK3.1@41.336,18.669 ; R2_LOCK3.1 R1_LOCK3.1@41.336,18.669
NetC1_LOCK4_1: C1_LOCK4.1 Q1_LOCK4.1 R1_LOCK4.1 R2_LOCK4.1 | length 7.7
  Top Layer w0.762: R1_LOCK4.1 R1_LOCK4.1 R1_LOCK4.1@56.322,18.669 ; C1_LOCK4.1 56.322,21.274 R1_LOCK4.1@56.322,18.669 ; Q1_LOCK4.1 R1_LOCK4.1@56.322,18.669 ; R2_LOCK4.1 R1_LOCK4.1@56.322,18.669
NetC1_LOCK5_1: C1_LOCK5.1 Q1_LOCK5.1 R1_LOCK5.1 R2_LOCK5.1 | length 7.7
  Top Layer w0.762: R1_LOCK5.1 R1_LOCK5.1 R1_LOCK5.1@71.308,18.669 ; C1_LOCK5.1 71.308,21.274 R1_LOCK5.1@71.308,18.669 ; Q1_LOCK5.1 R1_LOCK5.1@71.308,18.669 ; R2_LOCK5.1 R1_LOCK5.1@71.308,18.669
NetC2_LOCK1_2: C2_LOCK1.2 CON1_LOCK1.1 D1_LOCK1.2 Q1_LOCK1.3 TP1_LOCK1.1 | length 12.6
  Top Layer w0.762: TP1_LOCK1.1 9.271,12.24 Q1_LOCK1.3 10.463,13.334 D1_LOCK1.2@12.56,13.334 ; CON1_LOCK1.1 D1_LOCK1.2@12.56,13.334 ; D1_LOCK1.2 D1_LOCK1.2@12.56,13.334 ; C2_LOCK1.2 12.56,14.338 D1_LOCK1.2@12.56,13.334
NetC2_LOCK2_2: C2_LOCK2.2 CON1_LOCK2.1 D1_LOCK2.2 Q1_LOCK2.3 TP1_LOCK2.1 | length 12.6
  Top Layer w0.762: TP1_LOCK2.1 24.257,12.241 Q1_LOCK2.3 25.449,13.335 D1_LOCK2.2@27.546,13.335 ; CON1_LOCK2.1 D1_LOCK2.2@27.546,13.335 ; D1_LOCK2.2 D1_LOCK2.2@27.546,13.335 ; C2_LOCK2.2 27.546,14.339 D1_LOCK2.2@27.546,13.335
NetC2_LOCK3_2: C2_LOCK3.2 CON1_LOCK3.1 D1_LOCK3.2 Q1_LOCK3.3 TP1_LOCK3.1 | length 12.6
  Top Layer w0.762: TP1_LOCK3.1 39.243,12.241 Q1_LOCK3.3 40.435,13.335 D1_LOCK3.2@42.532,13.335 ; CON1_LOCK3.1 D1_LOCK3.2@42.532,13.335 ; D1_LOCK3.2 D1_LOCK3.2@42.532,13.335 ; C2_LOCK3.2 42.532,14.339 D1_LOCK3.2@42.532,13.335
NetC2_LOCK4_2: C2_LOCK4.2 CON1_LOCK4.1 D1_LOCK4.2 Q1_LOCK4.3 TP1_LOCK4.1 | length 12.6
  Top Layer w0.762: TP1_LOCK4.1 54.229,12.241 Q1_LOCK4.3 55.421,13.335 D1_LOCK4.2@57.518,13.335 ; CON1_LOCK4.1 D1_LOCK4.2@57.518,13.335 ; D1_LOCK4.2 D1_LOCK4.2@57.518,13.335 ; C2_LOCK4.2 57.518,14.339 D1_LOCK4.2@57.518,13.335
NetC2_LOCK5_2: C2_LOCK5.2 CON1_LOCK5.1 D1_LOCK5.2 Q1_LOCK5.3 TP1_LOCK5.1 | length 12.6
  Top Layer w0.762: TP1_LOCK5.1 69.215,12.241 Q1_LOCK5.3 70.407,13.335 D1_LOCK5.2@72.504,13.335 ; CON1_LOCK5.1 D1_LOCK5.2@72.504,13.335 ; D1_LOCK5.2 D1_LOCK5.2@72.504,13.335 ; C2_LOCK5.2 72.504,14.339 D1_LOCK5.2@72.504,13.335
NetC6_1: C6.1 R9.2 | length 2.5
  Top Layer w0.254: R9.2 C6.1
NetC6_2: C6.2 L1.1 U1.2 | length 6.4
  Top Layer w0.254: U1.2 L1.1@73.279,49.911 ; L1.1 L1.1@73.279,49.911 ; C6.2 74.946,51.959 73.279,50.292 L1.1@73.279,49.911
NetC10_1: C10.1 R7.2 R11.2 R12.2 | length 7.7
  Top Layer w0.762: R12.2 C10.1 C10.1@65.405,52.831 ; R7.2@65.531,50.165 65.531,52.705 C10.1@65.405,52.831 ; R11.2 C10.1@65.405,52.831
NetC11_2: C11.2 C12.2 D2.2 ESD2.2 ESD3.2 Fuse_1.1 Fuse_2.1 | length 23
  Top Layer w1.27: Fuse_2.1 Fuse_1.1 62.741,46.101 ESD2.2 76.07,43.31 77.275,42.105 D2.2
NetC13_1: C13.1 Q3.1 R14.1 R15.1 | length 7.6
  Top Layer w0.762: C13.1 R14.1 ; Q3.1 87.885,16.521 R14.1 ; R15.1 R14.1
NetC14_2: C14.2 CON4.1 D3.2 Q3.3 TP7.1 | length 13.7
  Top Layer w0.762: TP7.1 86.487,13.589 89.383,13.589 ; CON4.1 89.272,13.478 89.383,13.589 ; C14.2 90.55,13.92 D3.2 89.383,13.589
NetCON1_LOCK1_4: CON1_LOCK1.4 ESD1_LOCK1.1 R5_LOCK1.1 R6_LOCK1.1 TP2_LOCK1.1 | length 16
  Top Layer w0.762: R6_LOCK1.1 17.907,17.017 18.797,16.127 R5_LOCK1.1 ESD1_LOCK1.1 ; CON1_LOCK1.4 18.56,9.669 19.431,10.54 ESD1_LOCK1.1 ; TP2_LOCK1.1 ESD1_LOCK1.1
NetCON1_LOCK2_4: CON1_LOCK2.4 ESD1_LOCK2.1 R5_LOCK2.1 R6_LOCK2.1 TP2_LOCK2.1 | length 16
  Top Layer w0.762: R6_LOCK2.1 32.893,17.018 33.783,16.128 R5_LOCK2.1 ESD1_LOCK2.1 ; CON1_LOCK2.4 33.546,9.67 34.417,10.541 ESD1_LOCK2.1 ; TP2_LOCK2.1 ESD1_LOCK2.1
NetCON1_LOCK3_4: CON1_LOCK3.4 ESD1_LOCK3.1 R5_LOCK3.1 R6_LOCK3.1 TP2_LOCK3.1 | length 16
  Top Layer w0.762: R6_LOCK3.1 47.879,17.018 48.769,16.128 R5_LOCK3.1 ESD1_LOCK3.1 ; CON1_LOCK3.4 48.532,9.67 49.403,10.541 ESD1_LOCK3.1 ; TP2_LOCK3.1 ESD1_LOCK3.1
NetCON1_LOCK4_4: CON1_LOCK4.4 ESD1_LOCK4.1 R5_LOCK4.1 R6_LOCK4.1 TP2_LOCK4.1 | length 16
  Top Layer w0.762: R6_LOCK4.1 62.865,17.018 63.755,16.128 R5_LOCK4.1 ESD1_LOCK4.1 ; CON1_LOCK4.4 63.518,9.67 64.389,10.541 ESD1_LOCK4.1 ; TP2_LOCK4.1 ESD1_LOCK4.1
NetCON1_LOCK5_4: CON1_LOCK5.4 ESD1_LOCK5.1 R5_LOCK5.1 R6_LOCK5.1 TP2_LOCK5.1 | length 16
  Top Layer w0.762: R6_LOCK5.1 77.851,17.018 78.741,16.128 R5_LOCK5.1 ESD1_LOCK5.1 ; CON1_LOCK5.4 78.504,9.67 79.375,10.541 ESD1_LOCK5.1 ; TP2_LOCK5.1 ESD1_LOCK5.1
NetLED1_A: LED1.A R13.2 | length 3.9
  Top Layer w0.508: R13.2 83.567,50.292 LED1.A
NetQ2_LOCK1_1: Q2_LOCK1.1 R3_LOCK1.2 R4_LOCK1.2 | length 13.7
  Top Layer w0.762: R4_LOCK1.2 9.271,24.255 9.398,24.382 v3(9.398,25.907) ; Q2_LOCK1.1 15.682,25.847 R3_LOCK1.2 v3(17.272,25.907)
  Bottom Layer w0.762: v3(9.398,25.907) v3(17.272,25.907)
NetQ2_LOCK1_3: Q2_LOCK1.3 R2_LOCK1.2 | length 2.9
  Top Layer w0.762: Q2_LOCK1.3 15.749,20.084 R2_LOCK1.2
NetQ2_LOCK2_1: Q2_LOCK2.1 R3_LOCK2.2 R4_LOCK2.2 | length 13.7
  Top Layer w0.762: R4_LOCK2.2 24.257,24.256 24.384,24.383 v3(24.384,25.908) ; Q2_LOCK2.1 30.668,25.848 R3_LOCK2.2 v3(32.258,25.908)
  Bottom Layer w0.762: v3(24.384,25.908) v3(32.258,25.908)
NetQ2_LOCK2_3: Q2_LOCK2.3 R2_LOCK2.2 | length 2.9
  Top Layer w0.762: Q2_LOCK2.3 30.735,20.085 R2_LOCK2.2
NetQ2_LOCK3_1: Q2_LOCK3.1 R3_LOCK3.2 R4_LOCK3.2 | length 13.7
  Top Layer w0.762: R4_LOCK3.2 39.243,24.256 39.37,24.383 v3(39.37,25.908) ; Q2_LOCK3.1 45.654,25.848 R3_LOCK3.2 v3(47.244,25.908)
  Bottom Layer w0.762: v3(39.37,25.908) v3(47.244,25.908)
NetQ2_LOCK3_3: Q2_LOCK3.3 R2_LOCK3.2 | length 2.9
  Top Layer w0.762: Q2_LOCK3.3 45.721,20.085 R2_LOCK3.2
NetQ2_LOCK4_1: Q2_LOCK4.1 R3_LOCK4.2 R4_LOCK4.2 | length 13.7
  Top Layer w0.762: R4_LOCK4.2 54.229,24.256 54.356,24.383 v3(54.356,25.908) ; Q2_LOCK4.1 60.64,25.848 R3_LOCK4.2 v3(62.23,25.908)
  Bottom Layer w0.762: v3(54.356,25.908) v3(62.23,25.908)
NetQ2_LOCK4_3: Q2_LOCK4.3 R2_LOCK4.2 | length 2.9
  Top Layer w0.762: Q2_LOCK4.3 60.707,20.085 R2_LOCK4.2
NetQ2_LOCK5_1: Q2_LOCK5.1 R3_LOCK5.2 R4_LOCK5.2 | length 13.7
  Top Layer w0.762: R4_LOCK5.2 69.215,24.256 69.342,24.383 v3(69.342,25.908) ; Q2_LOCK5.1 75.626,25.848 R3_LOCK5.2 v3(77.216,25.908)
  Bottom Layer w0.762: v3(69.342,25.908) v3(77.216,25.908)
NetQ2_LOCK5_3: Q2_LOCK5.3 R2_LOCK5.2 | length 2.9
  Top Layer w0.762: Q2_LOCK5.3 75.693,20.085 R2_LOCK5.2
NetQ4_1: Q4.1 R16.2 R17.2 | length 9.2
  Top Layer w0.152: R17.2 86.105,24.002 86.995,24.892 92.203,24.892
  Top Layer w0.762: R16.2 92.203,24.892 92.203,23.789 Q4.1
NetQ4_3: Q4.3 R15.2 | length 2.9
  Top Layer w0.762: Q4.3 92.431,20.111 92.431,18.822 R15.2
NetR7_1: R7.1 U1.6 | length 2.8
  Top Layer w0.152: R7.1 67.811,49.411 U1.6 U1.6@69.929,49.403
NetR8_1: R8.1 U1.5 | length 4.3
  Top Layer w0.152: v2(68.834,48.895) 69.595,48.134 R8.1 ; v2(68.834,49.911) U1.5
  Bottom Layer w0.152: v2(68.834,48.895) v2(68.834,49.911)
NetR9_1: R9.1 R10.2 | length 3.2
  Top Layer w0.254: R10.2 70.851,53.721 71.563,53.721 R9.1
NetR10_1: R10.1 U1.4 | length 2.4
  Top Layer w0.152: U1.4 69.937,52.807 R10.1
NetR34_1: R34.1 U3.60 | length 13.8
  Top Layer w0.152: R34.1 19.303,48.007 19.685,47.625 v2(20.193,47.625) ; v2(21.971,47.625) 29.845,47.625 30.47,47 U3.60
  Bottom Layer w0.152: v2(20.193,47.625) v2(21.971,47.625)
NRST: C16.2 R33.1 S3.1 U3.7 | length 21
  Top Layer w0.152: C16.2 16.129,46.481 S3.1 16.51,42.037 21.082,42.037 ; R33.1 21.083,42.038 21.082,42.037 ; U3.7 26.612,40.923 23.085,40.923 21.971,42.037 21.082,42.037
PCB_RS485_A: CON6.1 CON7.1 R31.1 R32.2 TP11.1 U2.6 | length 158.5
  Top Layer w0.762: v2(4.826,36.576) 4.826,43.18 6.036,44.39 CON7.1 ; U2.6 78.612,34.671 R31.1 ; TP11.1 R32.2 R32.2 R31.1 ; v2(90.551,32.766) 90.551,34.322 CON6.1 78.928,34.477 R31.1
  Bottom Layer w0.762: v2(4.826,36.576) 4.699,36.449 4.699,18.161 11.43,11.43 82.423,11.43 90.551,19.558 v2(90.551,32.766)
PCB_RS485_B: CON6.2 CON7.2 R30.1 R31.2 TP8.1 U2.7 | length 167.8
  Top Layer w0.762: v2(6.223,41.656) 6.457,41.89 CON7.2 ; U2.7 78.612,35.941 R31.2 ; TP8.1 R30.1 78.868,36.197 R31.2 ; v2(93.599,36.957) 93.619,36.977 CON6.2 89.047,36.977 88.266,36.196 R31.2
  Bottom Layer w0.762: v2(6.223,41.656) 3.175,38.608 3.175,17.907 10.795,10.287 83.312,10.287 93.599,20.574 v2(93.599,36.957)
RXD: R29.1 TP9.1 U2.1 U3.43 | length 37
  Top Layer w0.254: U3.43 41.069,41.481 46.736,35.814 65.278,35.814 66.675,37.211 R29.1
  Top Layer w0.762: TP9.1 R29.1 R29.1 66.93,37.211 U2.1
SWD_CLK: CON5.1 TP12.1 U3.49 | length 36.8
  Top Layer w0.152: U3.49 39.05,45.781 53.086,59.817 59.436,59.817 TP12.1@62.103,62.484
  Top Layer w0.508: CON5.1 62.103,62.653 TP12.1 TP12.1@62.103,62.484
SWD_DIO: CON5.2 TP13.1 U3.46 | length 38.3
  Top Layer w0.152: v2(36.123,42.981) U3.46 ; v2(36.195,47.752) 40.132,47.752 52.578,60.198 56.642,60.198 TP13.1
  Top Layer w0.508: CON5.2 58.329,63.591 59.055,62.865 TP13.1
  Bottom Layer w0.152: v2(36.123,42.981) 36.195,43.053 v2(36.195,47.752)
TXD: TP10.1 U2.4 U3.42 | length 35.7
  Top Layer w0.254: U3.42 40.934,40.981 46.609,35.306 64.135,35.306 66.04,33.401
  Top Layer w0.762: TP10.1 66.04,33.401 U2.4
VDDA: C19.2 FB1.2 U3.13 | length 8.1
  Top Layer w0.152: FB1.2 21.083,36.704 22.36,37.981 U3.13
pads on no net: CON1_LOCK1.0 CON1_LOCK2.0 CON1_LOCK3.0 CON1_LOCK4.0 CON1_LOCK5.0 CON4.0 CON5.0 CON6.0 CON7.0 U3.2 U3.14 U3.15 U3.18 U3.19 U3.25 U3.29 U3.30 U3.33 U3.34 U3.35 U3.36 U3.37 U3.38 U3.39 U3.40 U3.41 U3.44 U3.47 U3.48 U3.51 U3.52 U3.53 U3.57 U3.58 U3.59 U3.61 U3.62

## Polygon pours and split planes (outlines as drawn)
NET_GND on Top Layer "NET_GND_L01_P000" (solid, remove dead copper, pour order 0): 100,0 100,71.882 100,72 0,72 0,0
NET_GND on Bottom Layer "NET_GND_L02_P002" (solid, remove dead copper, pour order 2): 100,0 100,72 0,72 0,0

## Keep-outs
Keep-Out Layer:
  lines w0.127: 0,0 100,0 100,72 0,72 0,0

## Silkscreen, mask and mechanical layers (free items; w line width, h text height)
Top Overlay:
  text "InPut" at 94,62.103 h3 r270
  text "OutPut" at 4,15.367 h3 r90